# Altium PCB DB46.PcbDoc (part 1 of 6) (continued)
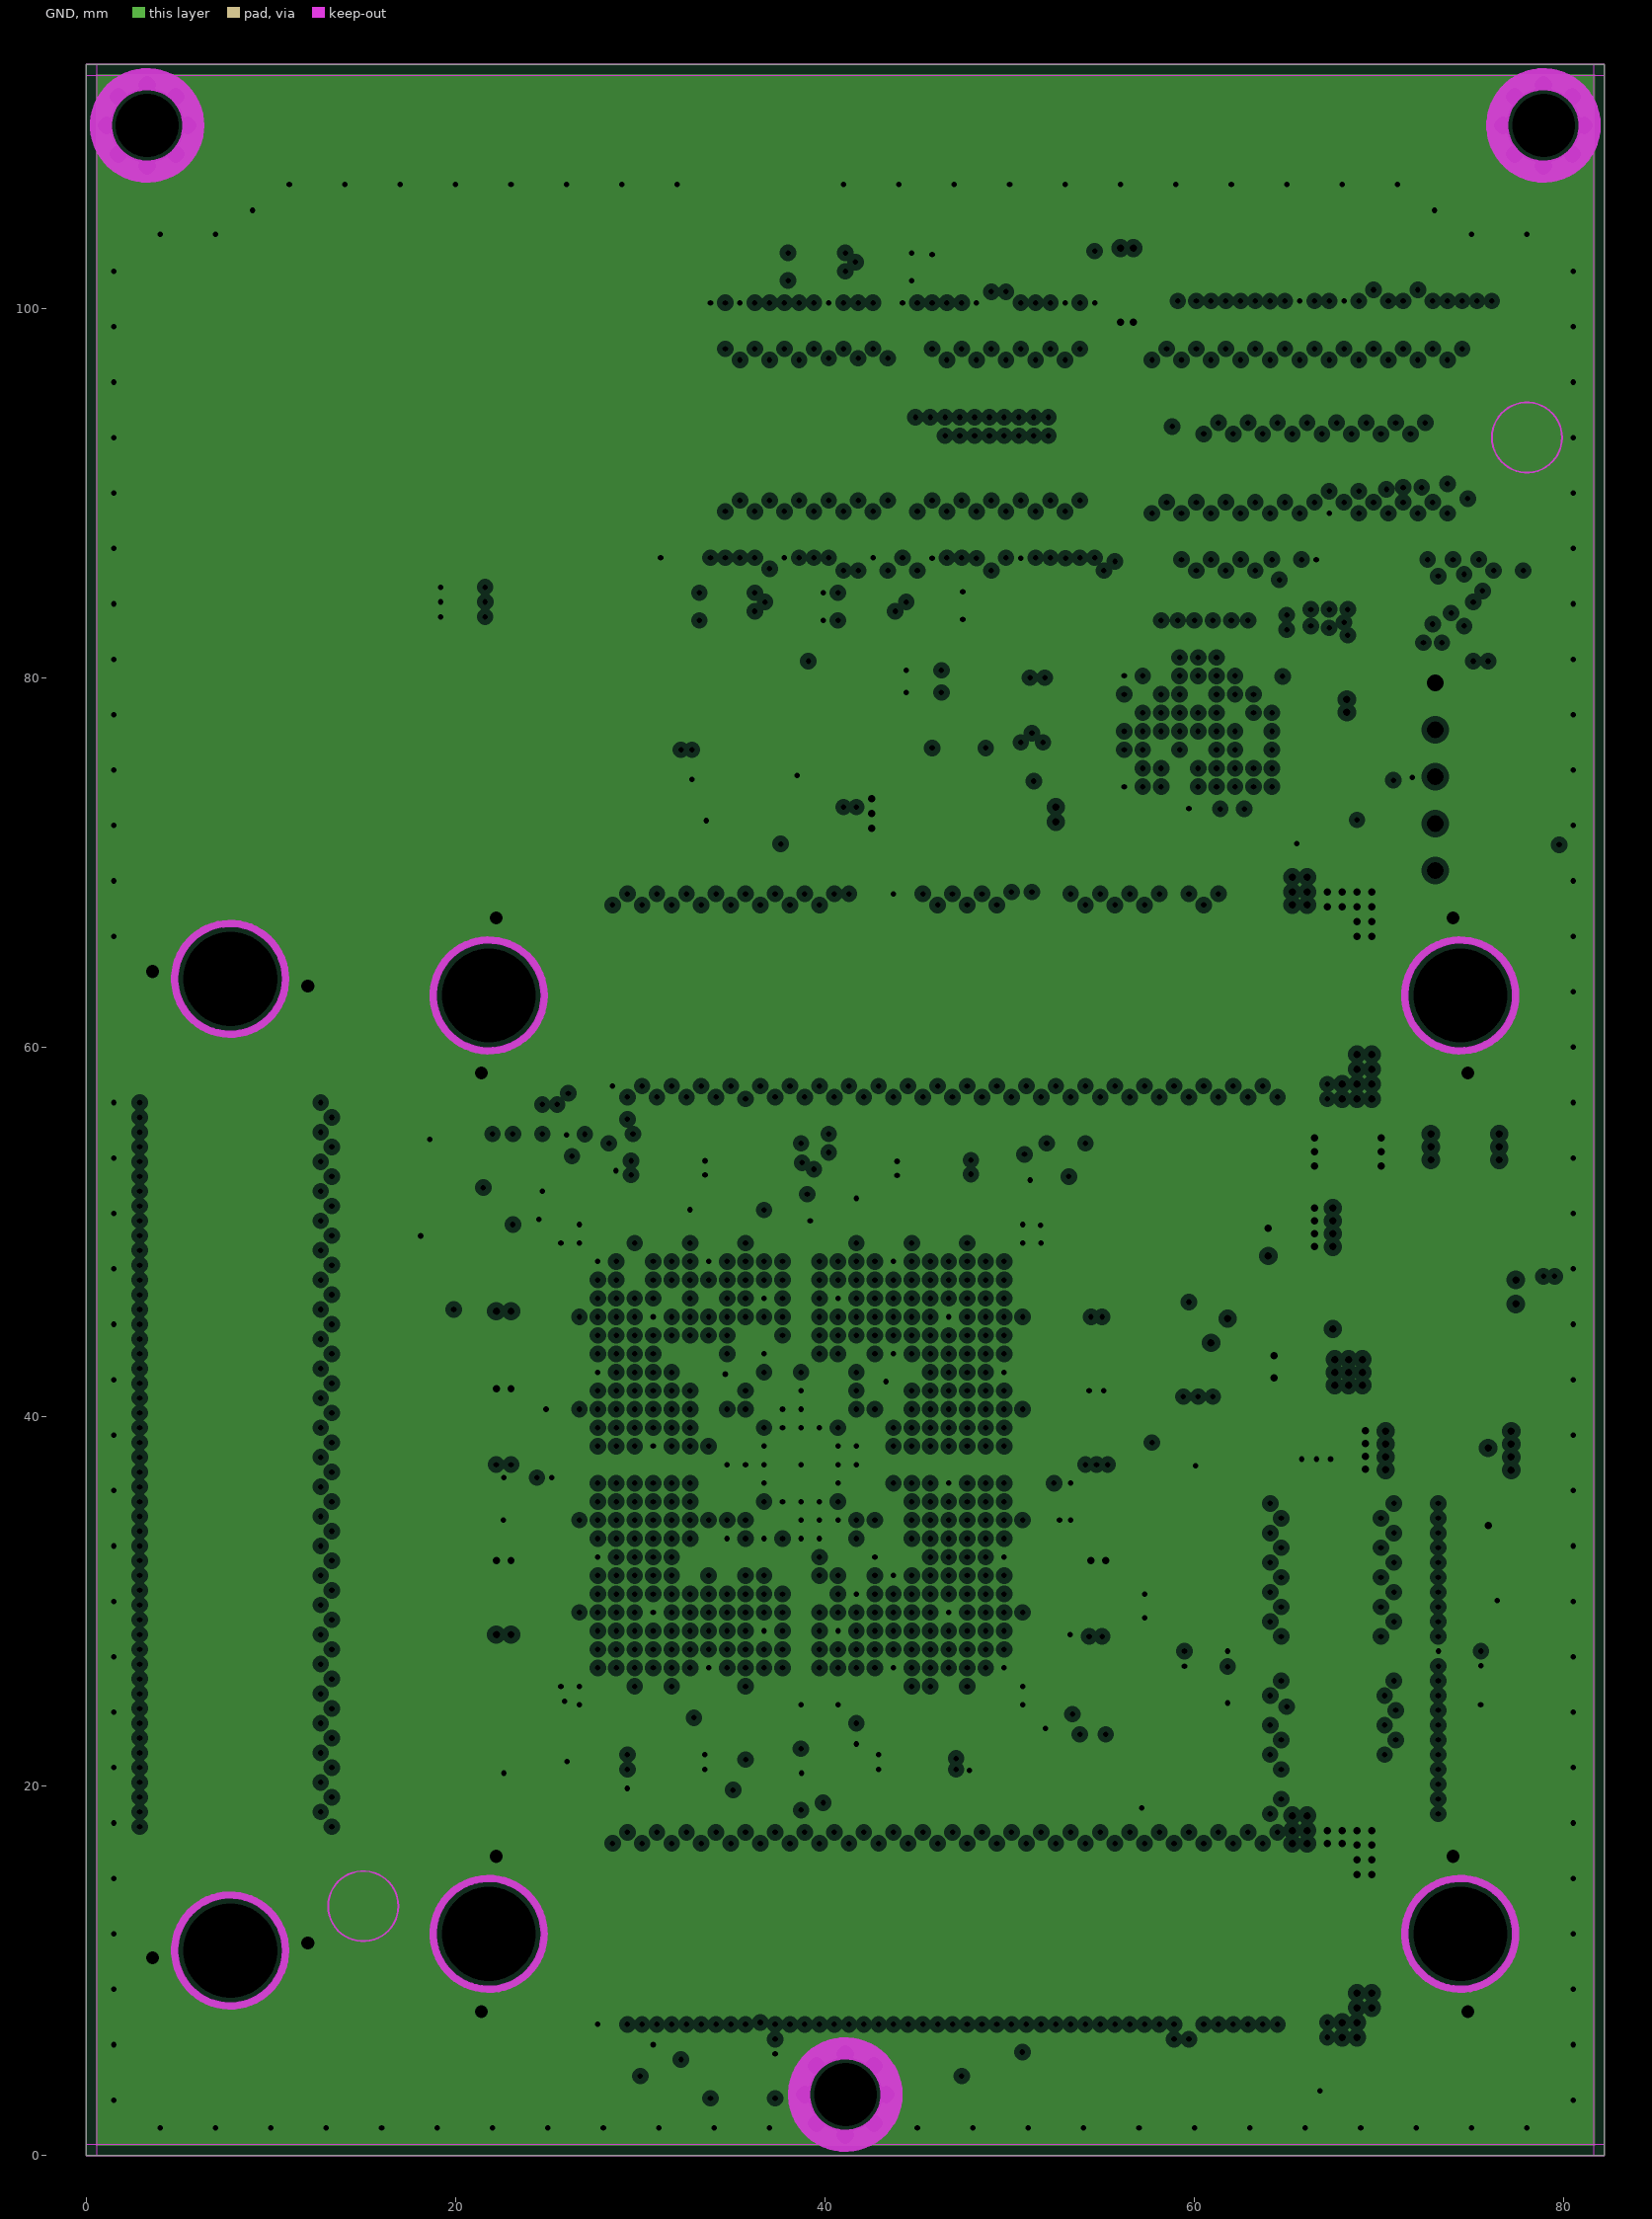
[diagram p4: GND, clearances drawn from the general rule]
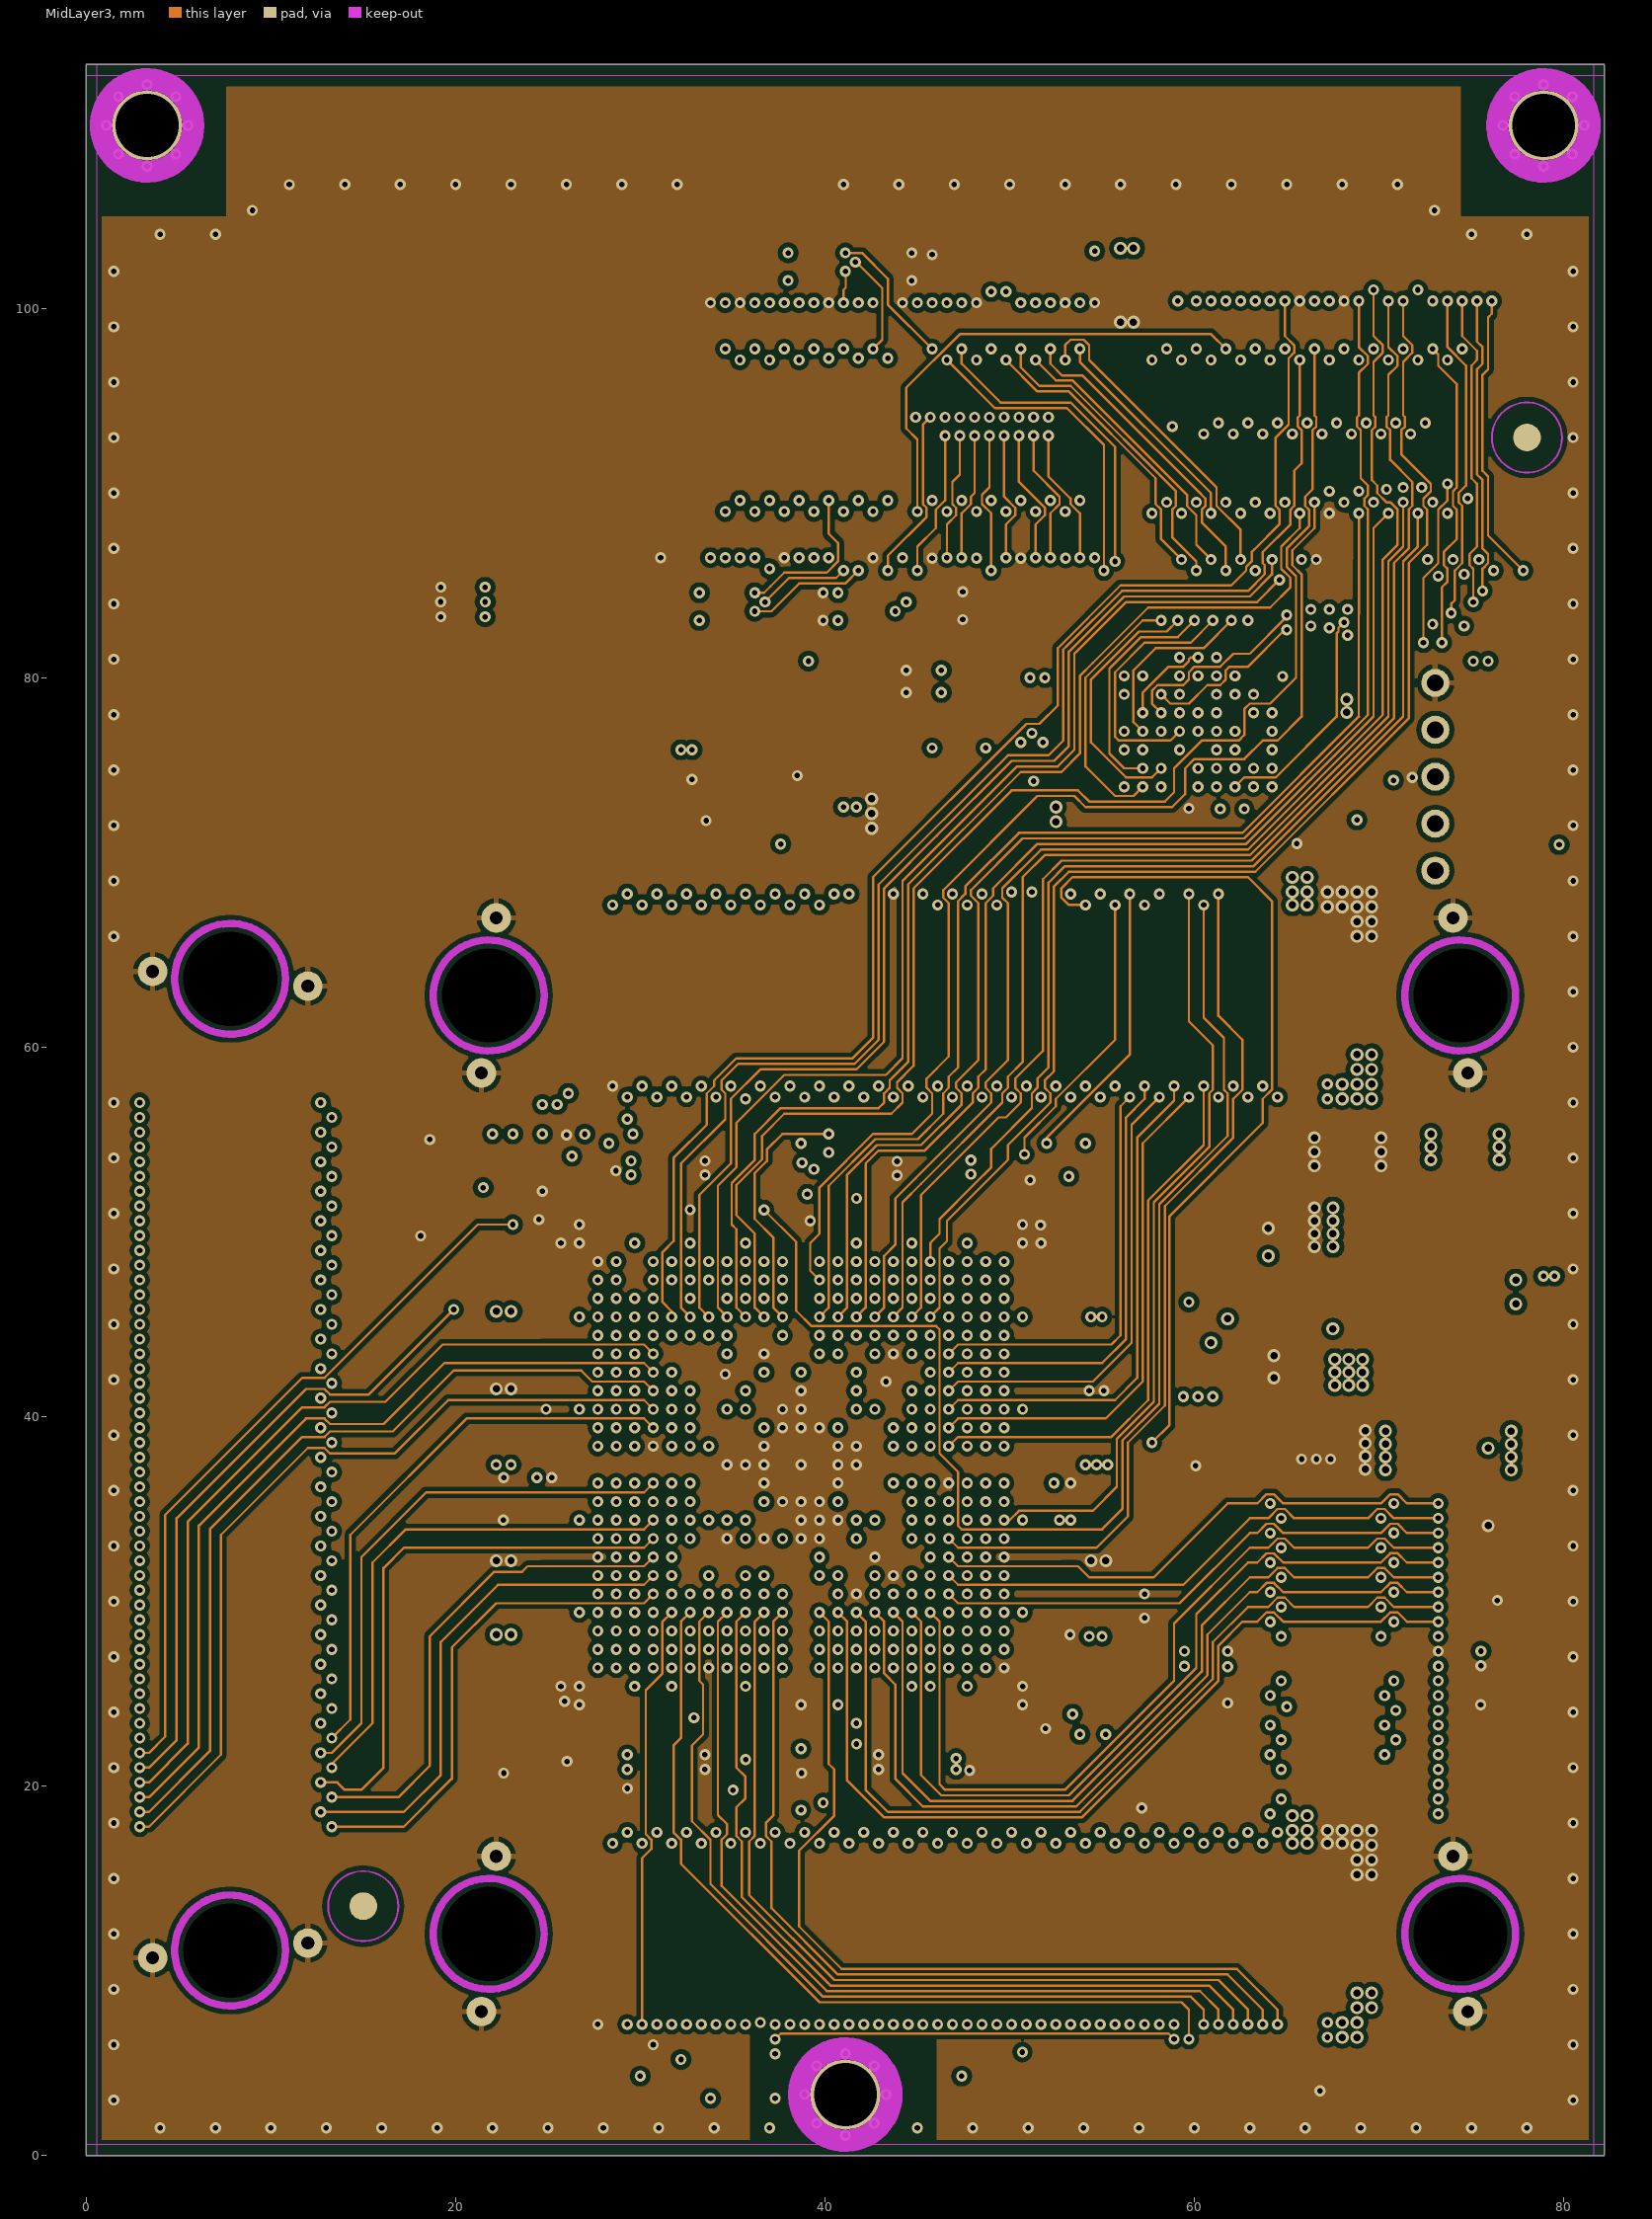
[diagram p5: MidLayer3]
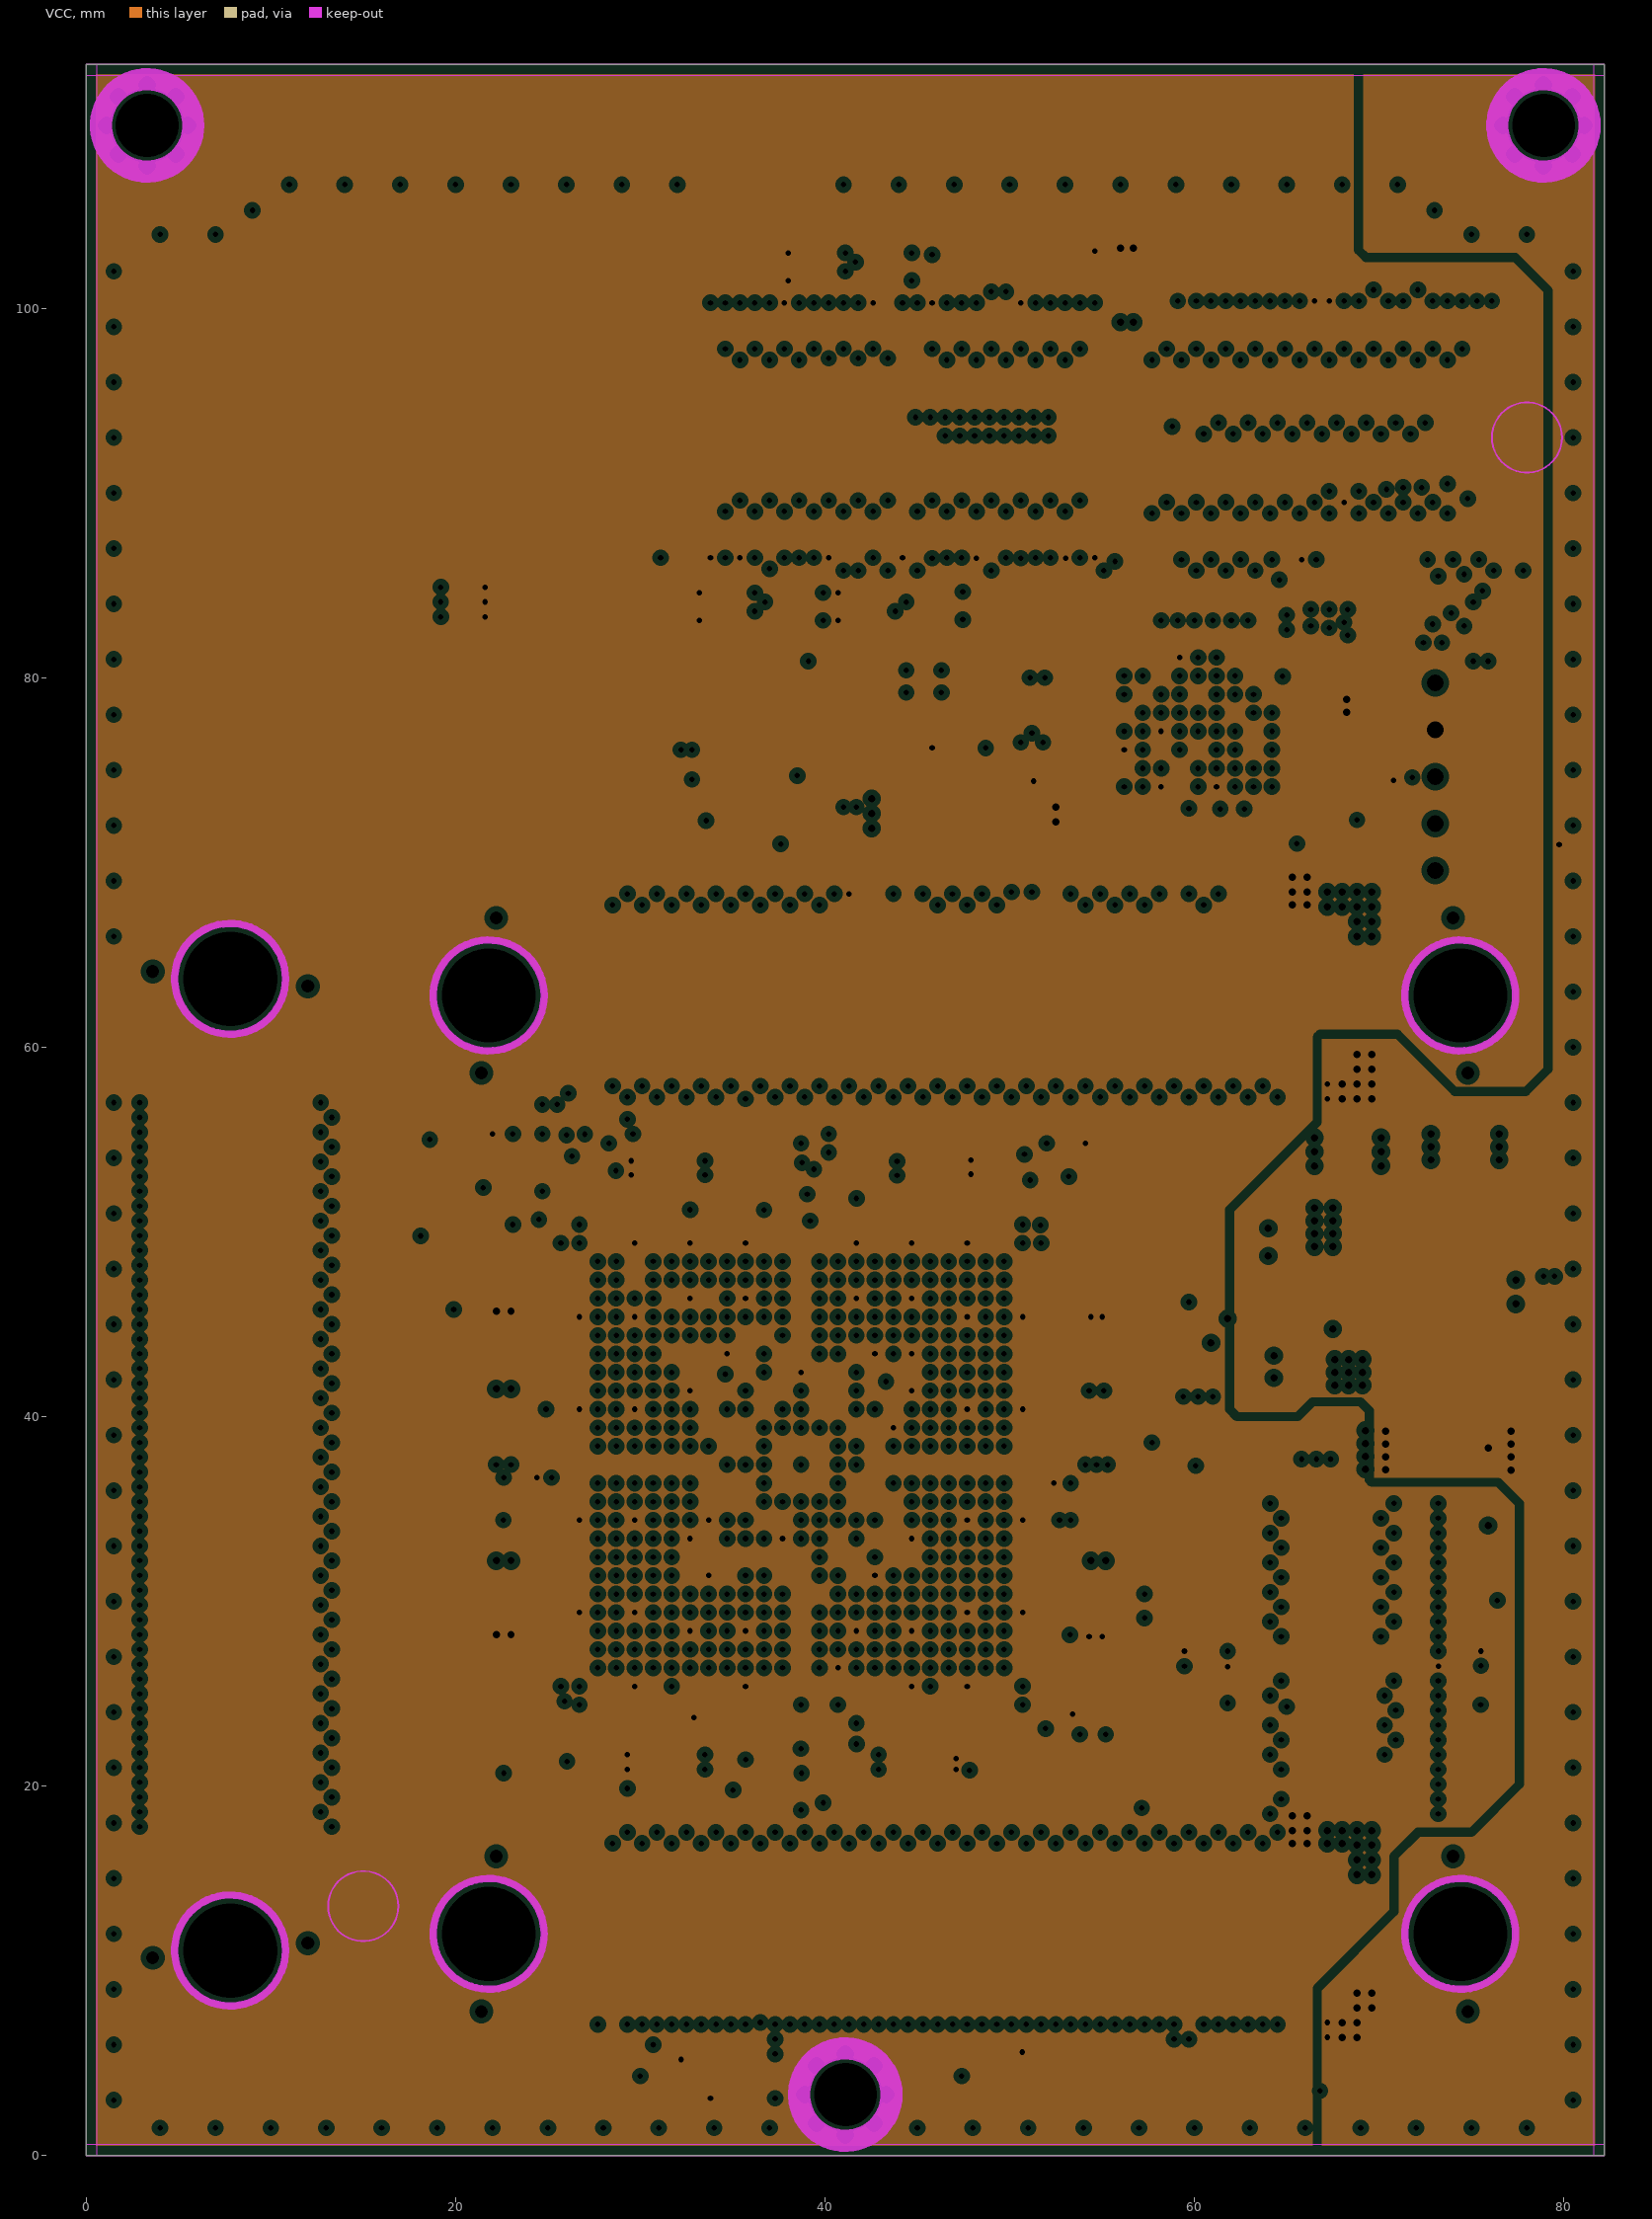
[diagram p6: VCC, clearances drawn from the general rule]